# Altium PCB I2C_Jog_Controller.pcbdoc (part 2 of 9)
Units mil, origin at the board's own origin, x right, y up, seen from the top; angles counter-clockwise.
Board outline 3937.01 x 3937.01 mil, 2 copper layers (Top Layer, Bottom Layer), stack 65.398 mil thick; 211 components, 144 nets, 5702 pads, 342 vias.
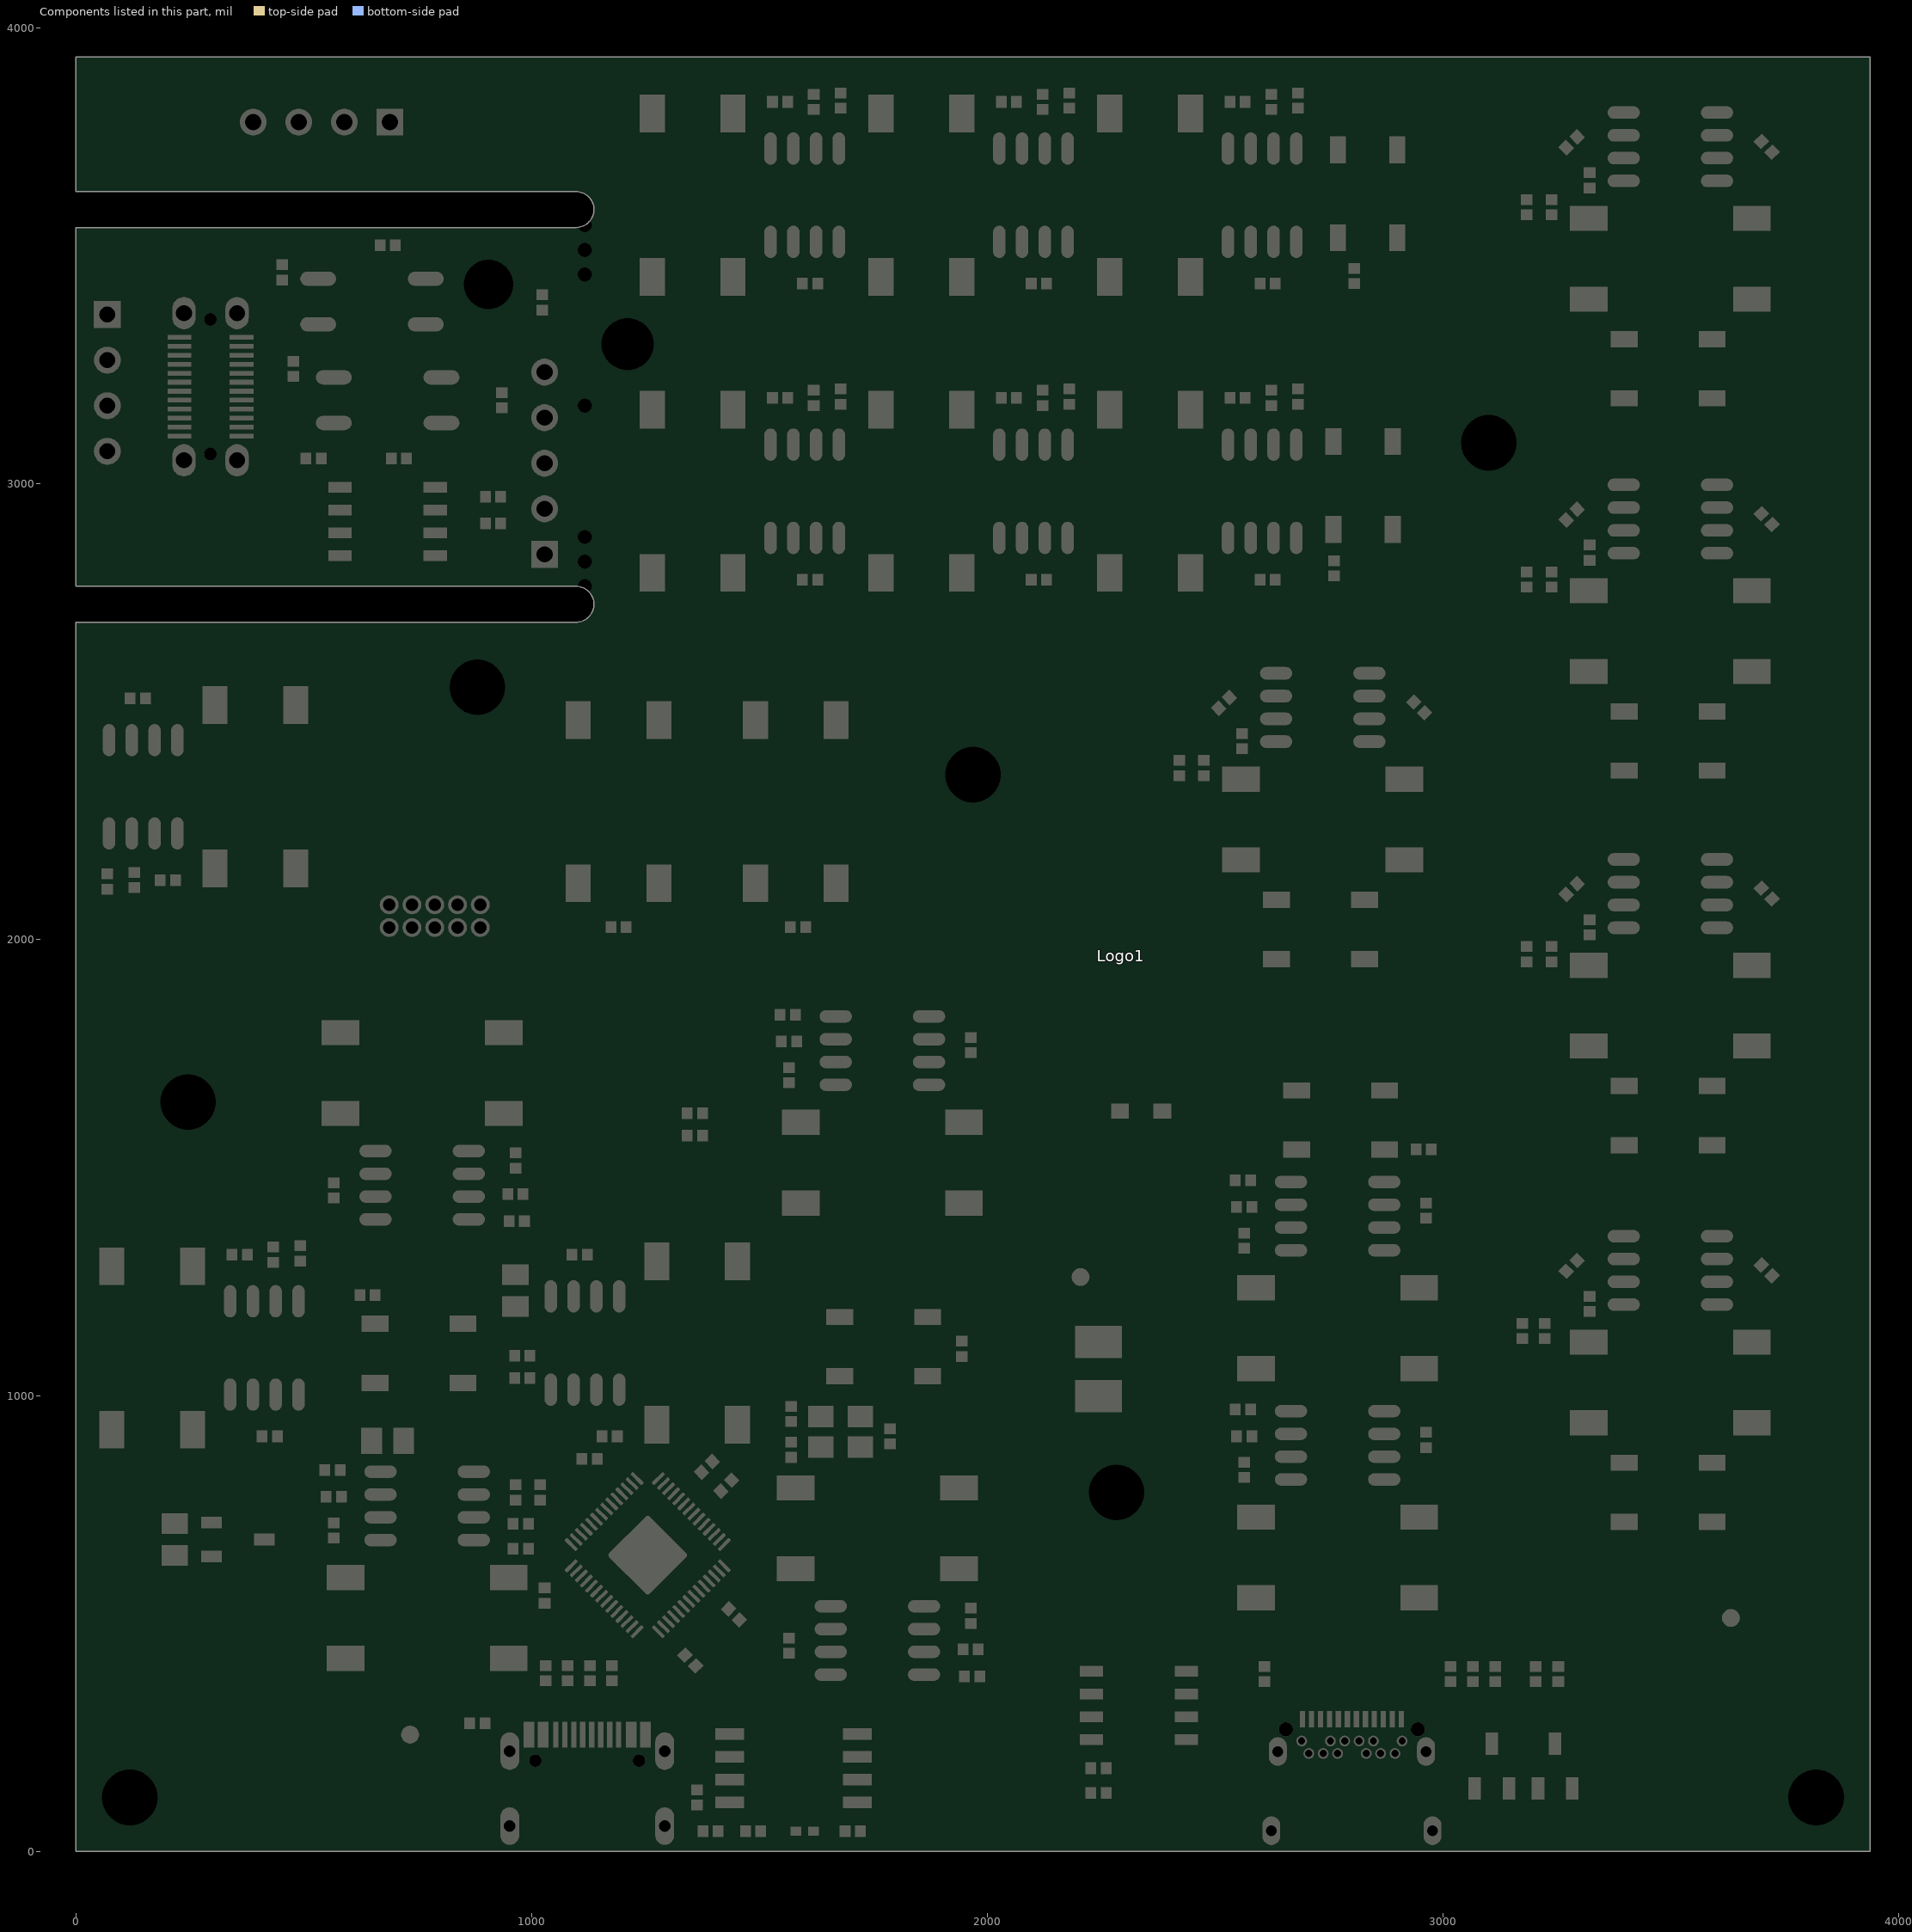
[diagram p2: the components of this part, seen from the top]

## Footprints (in the part's own frame and the unit in brackets; to place one, negate y for a bottom-side part, rotate by r counter-clockwise, add the part's x,y. Pads: shape width x height; smd on the part's side, far side on the other; paste and mask are expansions set on the pad) (continued)
Expatria-Logo [mil] "Expatria DXF logo" (continued)
  round 1.64 on Top Overlay: 1(-44606.14,-43379.1) 1_1(-44615.5,-43379.55) 1_2(-44606.14,-43379.1) 1_3(-44629.38,-43380.88) 1_4(-44615.5,-43379.55) 1_5(-44631.61,-43381.79) 1_6(-44629.38,-43380.88) 1_7(-44642.8,-43383.12) 1_8(-44631.61,-43381.79) 1_9(-44651.29,-43385.36) 1_10(-44642.8,-43383.12) 1_11(-44659.81,-43386.72) 1_12(-44651.29,-43385.36) 1_13(-44663.83,-43388.5) 1_14(-44659.81,-43386.72) 1_15(-44667.85,-43388.95) 1_16(-44663.83,-43388.5) 1_17(-44675.89,-43392.06) 1_18(-44667.85,-43388.95) 1_19(-44683.51,-43394.3) 1_20(-44675.89,-43392.06) 1_21(-44686.2,-43396.08) 1_22(-44683.51,-43394.3) 1_23(-44691.12,-43397.45) 1_24(-44686.2,-43396.08) 1_25(-44705.42,-43405.03) 1_26(-44691.12,-43397.45) 1_27(-44708.56,-43406.85) 1_28(-44705.42,-43405.03) 1_29(-44712.13,-43409.08) 1_30(-44708.56,-43406.85) 1_31(-44715.27,-43410.41) 1_32(-44712.13,-43409.08) 1_33(-44717.05,-43412.19) 1_34(-44715.27,-43410.41) 1_35(-44721.98,-43414.43) 1_36(-44717.05,-43412.19) 1_37(-44723.76,-43416.21) 1_38(-44721.98,-43414.43) 1_39(-44725.09,-43416.67) 1_40(-44723.76,-43416.21) 1_41(-44726.91,-43418.45) 1_42(-44725.09,-43416.67) 1_43(-44728.24,-43418.9) 1_44(-44726.91,-43418.45) 1_45(-44730.02,-43420.68) 1_46(-44728.24,-43418.9) 1_47(-44731.38,-43421.14) 1_48(-44730.02,-43420.68) 1_49(-44732.71,-43422.92) 1_50(-44731.38,-43421.14) 1_51(-44734.04,-43423.37) 1_52(-44732.71,-43422.92) 1_53(-44735.86,-43425.61) 1_54(-44734.04,-43423.37) 1_55(-44737.18,-43426.07) 1_56(-44735.86,-43425.61) 1_57(-44738.51,-43427.85) 1_58(-44737.18,-43426.07) 1_59(-44739.87,-43428.3) 1_60(-44738.51,-43427.85) 1_61(-44741.66,-43430.08) 1_62(-44739.87,-43428.3) 1_63(-44742.98,-43430.54) 1_64(-44741.66,-43430.08) 1_65(-44747.04,-43435.01) 1_66(-44742.98,-43430.54) 1_67(-44748.36,-43435.47) 1_68(-44747.04,-43435.01) 1_69(-44763.57,-43450.67) 1_70(-44748.36,-43435.47) 1_71(-44764.02,-43451.99) 1_72(-44763.57,-43450.67) 1_73(-44766.26,-43453.81) 1_74(-44764.02,-43451.99) 1_75(-44766.71,-43455.14) 1_76(-44766.26,-43453.81) 1_77(-44768.49,-43456.47) 1_78(-44766.71,-43455.14) 1_79(-44768.95,-43457.83) 1_80(-44768.49,-43456.47) 1_81(-44770.73,-43459.16) 1_82(-44768.95,-43457.83) 1_83(-44771.18,-43460.52) 1_84(-44770.73,-43459.16) 1_85(-44775.66,-43464.54) 1_86(-44771.18,-43460.52) 1_87(-44776.11,-43465.87) 1_88(-44775.66,-43464.54) 1_89(-44777.89,-43467.23) 1_90(-44776.11,-43465.87) 1_91(-44779.68,-43470.34) 1_92(-44777.89,-43467.23) 1_93(-44780.13,-43471.7) 1_94(-44779.68,-43470.34) 1_95(-44782.82,-43474.36) 1_96(-44780.13,-43471.7) 1_97(-44783.24,-43475.72) 1_98(-44782.82,-43474.36) 1_99(-44784.15,-43476.18) 1_100(-44783.24,-43475.72) 1_101(-44784.6,-43477.5) 1_102(-44784.15,-43476.18) 1_103(-44786.39,-43478.83) 1_104(-44784.6,-43477.5) 1_105(-44786.84,-43480.2) 1_106(-44786.39,-43478.83) 1_107(-44788.17,-43481.52) 1_108(-44786.84,-43480.2) 1_109(-44789.95,-43484.67) 1_110(-44788.17,-43481.52) 1_111(-44790.4,-43486) 1_112(-44789.95,-43484.67) 1_113(-44793.1,-43488.69) 1_114(-44790.4,-43486) 1_115(-44794,-43486) 1_116(-44793.1,-43488.69) 1_117(-44794.42,-43486) 1_118(-44794,-43486) 1_119(-44794.88,-43483.76) 1_120(-44794.42,-43486) 1_121(-44799.8,-43473.94) 1_122(-44794.88,-43483.76) 1_123(-44800.26,-43473.94) 1_124(-44799.8,-43473.94) 1_125(-44800.71,-43471.71) 1_126(-44800.26,-43473.94) 1_127(-44801.13,-43471.7) 1_128(-44800.71,-43471.71) 1_129(-44802.95,-43465.41) 1_130(-44801.13,-43471.7) 1_131(-44804.73,-43461.85) 1_132(-44802.95,-43465.41) 1_133(-44805.19,-43461.85) 1_134(-44804.73,-43461.85) 1_135(-44806.06,-43458.7) 1_136(-44805.19,-43461.85) 1_137(-44806.51,-43458.7) 1_138(-44806.06,-43458.7) 1_139(-44806.97,-43456.47) 1_140(-44806.51,-43458.7) 1_141(-44807.42,-43456.47) 1_142(-44806.97,-43456.47) 1_143(-44808.3,-43453.36) 1_144(-44807.42,-43456.47) 1_145(-44808.75,-43453.36) 1_146(-44808.3,-43453.36) 1_147(-44809.2,-43451.12) 1_148(-44808.75,-43453.36) 1_149(-44809.66,-43451.12) 1_150(-44809.2,-43451.12) 1_151(-44810.08,-43448.89) 1_152(-44809.66,-43451.12) 1_153(-44810.53,-43448.89) 1_154(-44810.08,-43448.89) 1_155(-44810.99,-43446.65) 1_156(-44810.53,-43448.89) 1_157(-44811.44,-43446.65) 1_158(-44810.99,-43446.65) 1_159(-44811.9,-43444.41) 1_160(-44811.44,-43446.65) 1_161(-44812.31,-43444.41) 1_162(-44811.9,-43444.41) 1_163(-44812.77,-43442.17) 1_164(-44812.31,-43444.41) 1_165(-44813.22,-43442.17) 1_166(-44812.77,-43442.17) 1_167(-44814.13,-43438.58) 1_168(-44813.22,-43442.17) 1_169(-44814.55,-43438.58) 1_170(-44814.13,-43438.58) 1_171(-44815.01,-43436.34) 1_172(-44814.55,-43438.58) 1_173(-44815.46,-43436.34) 1_174(-44815.01,-43436.34) 1_175(-44815.91,-43434.1) 1_176(-44815.46,-43436.34) 1_177(-44816.37,-43434.1) 1_178(-44815.91,-43434.1) 1_179(-44816.79,-43431.87) 1_180(-44816.37,-43434.1) 1_181(-44817.24,-43431.87) 1_182(-44816.79,-43431.87) 1_183(-44818.6,-43427.85) 1_184(-44817.24,-43431.87) 1_185(-44819.02,-43427.85) 1_186(-44818.6,-43427.85) 1_187(-44819.48,-43425.61) 1_188(-44819.02,-43427.85) 1_189(-44819.93,-43425.61) 1_190(-44819.48,-43425.61) 1_191(-44821.26,-43421.14) 1_192(-44819.93,-43425.61) 1_193(-44821.71,-43421.14) 1_194(-44821.26,-43421.14) 1_195(-44822.62,-43418.03) 1_196(-44821.71,-43421.14) 1_197(-44823.08,-43418.03) 1_198(-44822.62,-43418.03) 1_199(-44823.5,-43415.79) 1_200(-44823.08,-43418.03) 1_201(-44823.95,-43415.79) 1_202(-44823.5,-43415.79) 1_203(-44825.31,-43412.65) 1_204(-44823.95,-43415.79) 1_205(-44825.73,-43412.65) 1_206(-44825.31,-43412.65) 1_207(-44826.64,-43410.41) 1_208(-44825.73,-43412.65) 1_209(-44828.88,-43407.26) 1_210(-44826.64,-43410.41) 1_211(-44829.79,-43407.26) 1_212(-44828.88,-43407.26) 1_213(-44830.21,-43406.39) 1_214(-44829.79,-43407.26) 1_215(-44831.57,-43406.85) 1_216(-44830.21,-43406.39) 1_217(-44832.44,-43408.17) 1_218(-44831.57,-43406.85) 1_219(-44832.9,-43418.9) 1_220(-44832.44,-43408.17) 1_221(-44832.9,-43418.9) 1_222(-44831.57,-43431.87) 1_223(-44831.57,-43431.87) 1_224(-44830.66,-43433.68) 1_225(-44830.66,-43433.68) 1_226(-44830.21,-43437.7) 1_227(-44830.21,-43437.7) 1_228(-44828.88,-43441.72) 1_229(-44828.88,-43441.72) 1_230(-44826.64,-43454.23) 1_231(-44826.64,-43454.23) 1_232(-44824.41,-43460.52) 1_233(-44824.41,-43460.52) 1_234(-44822.17,-43470.8) 1_235(-44822.17,-43470.8) 1_236(-44816.37,-43486.91) 1_237(-44816.37,-43486.91) 1_238(-44815.91,-43490.02) 1_239(-44815.91,-43490.02) 1_240(-44814.55,-43492.71) 1_241(-44814.55,-43492.71) 1_242(-44814.13,-43495.85) 1_243(-44814.13,-43495.85) 1_244(-44811.44,-43502.56) 1_245(-44811.44,-43502.56) 1_246(-44810.99,-43504.8) 1_247(-44810.99,-43504.8) 1_248(-44809.2,-43508.36) 1_249(-44809.2,-43508.36) 1_250(-44808.75,-43510.6) 1_251(-44808.75,-43510.6) 1_252(-44807.42,-43512.83) 1_253(-44807.84,-43513.29) 1_254(-44807.42,-43512.83) 1_255(-44808.75,-43515.52) 1_256(-44807.84,-43513.29) 1_257(-44810.99,-43518.67) 1_258(-44808.75,-43515.52) 1_259(-44814.13,-43524.47) 1_260(-44810.99,-43518.67) 1_261(-44815.01,-43526.71) 1_262(-44814.13,-43524.47) 1_263(-44817.24,-43529.85) 1_264(-44815.01,-43526.71) 1_265(-44822.62,-43540.13) 1_266(-44817.24,-43529.85) 1_267(-44823.08,-43542.36) 1_268(-44822.62,-43540.13) 1_269(-44827.55,-43550.4) 1_270(-44823.08,-43542.36) 1_271(-44827.97,-43552.64) 1_272(-44827.55,-43550.4) 1_273(-44830.66,-43557.56) 1_274(-44827.97,-43552.64) 1_275(-44831.12,-43559.8) 1_276(-44830.66,-43557.56) 1_277(-44833.81,-43564.27) 1_278(-44831.12,-43559.8) 1_279(-44834.26,-43566.51) 1_280(-44833.81,-43564.27) 1_281(-44835.59,-43568.75) 1_282(-44834.26,-43566.51) 1_283(-44836.04,-43570.98) 1_284(-44835.59,-43568.75) 1_285(-44837.37,-43572.77) 1_286(-44836.04,-43570.98) 1_287(-44838.73,-43577.69) 1_288(-44837.37,-43572.77) 1_289(-44841.84,-43583.95) 1_290(-44838.73,-43577.69) 1_291(-44842.3,-43586.18) 1_292(-44841.84,-43583.95) 1_293(-44844.08,-43589.78) 1_294(-44842.3,-43586.18) 1_295(-44844.53,-43592.89) 1_296(-44844.08,-43589.78) 1_297(-44846.77,-43598.28) 1_298(-44844.53,-43592.89) 1_299(-44847.68,-43603.66) 1_300(-44846.77,-43598.28) 1_301(-44848.55,-43605.44) 1_302(-44847.68,-43603.66) 1_303(-44849.01,-43612.15) 1_304(-44848.55,-43605.44) 1_305(-44849.01,-43612.15) 1_306(-44848.1,-43612.6) 1_307(-44848.1,-43612.6) 1_308(-44845.44,-43611.69) 1_309(-44845.44,-43611.69) 1_310(-44841.84,-43608.13) 1_311(-44841.84,-43608.13) 1_312(-44841.39,-43606.77) 1_313(-44841.39,-43606.77) 1_314(-44840.52,-43606.31) 1_315(-44840.52,-43606.31) 1_316(-44840.06,-43604.98) 1_317(-44840.06,-43604.98) 1_318(-44838.73,-43603.66) 1_319(-44838.73,-43603.66) 1_320(-44838.28,-43602.29) 1_321(-44838.28,-43602.29) 1_322(-44836.92,-43600.97) 1_323(-44836.92,-43600.97) 1_324(-44835.13,-43596.95) 1_325(-44835.13,-43596.95) 1_326(-44834.26,-43596.49) 1_327(-44834.26,-43596.49) 1_328(-44833.81,-43595.13) 1_329(-44833.81,-43595.13) 1_330(-44832.9,-43594.71) 1_331(-44832.9,-43594.71) 1_332(-44832.44,-43593.35) 1_333(-44832.44,-43593.35) 1_334(-44831.12,-43592.02) 1_335(-44831.12,-43592.02) 1_336(-44830.66,-43590.66) 1_337(-44830.66,-43590.66) 1_338(-44829.33,-43589.33) 1_339(-44829.33,-43589.33) 1_340(-44827.55,-43585.31) 1_341(-44827.55,-43585.31) 1_342(-44826.19,-43583.95) 1_343(-44826.19,-43583.95) 1_344(-44825.73,-43582.62) 1_345(-44825.73,-43582.62) 1_346(-44824.41,-43581.29) 1_347(-44824.41,-43581.29) 1_348(-44823.95,-43579.93) 1_349(-44823.95,-43579.93) 1_350(-44822.62,-43578.6) 1_351(-44822.62,-43578.6) 1_352(-44822.17,-43577.24) 1_353(-44822.17,-43577.24) 1_354(-44820.84,-43575.91) 1_355(-44820.84,-43575.91) 1_356(-44820.39,-43574.58) 1_357(-44820.39,-43574.58) 1_358(-44817.7,-43570.98) 1_359(-44817.7,-43570.98) 1_360(-44817.24,-43569.65) 1_361(-44817.24,-43569.65) 1_362(-44815.01,-43566.51) 1_363(-44815.01,-43566.51) 1_364(-44814.13,-43564.27) 1_365(-44814.13,-43564.27) 1_366(-44813.22,-43563.82) 1_367(-44813.22,-43563.82) 1_368(-44812.77,-43562.49) 1_369(-44812.77,-43562.49) 1_370(-44811.44,-43561.16) 1_371(-44811.44,-43561.16) 1_372(-44810.99,-43559.8) 1_373(-44810.99,-43559.8) 1_374(-44809.2,-43558.02) 1_375(-44809.2,-43558.02) 1_376(-44808.75,-43556.69) 1_377(-44808.75,-43556.69) 1_378(-44807.42,-43555.33) 1_379(-44807.42,-43555.33) 1_380(-44806.97,-43554) 1_381(-44806.97,-43554) 1_382(-44805.6,-43552.64) 1_383(-44805.6,-43552.64) 1_384(-44804.73,-43550.4) 1_385(-44804.73,-43550.4) 1_386(-44803.82,-43549.98) 1_387(-44803.82,-43549.98) 1_388(-44803.37,-43548.62) 1_389(-44803.37,-43548.62) 1_390(-44801.59,-43546.84) 1_391(-44801.59,-43546.84) 1_392(-44801.13,-43545.51) 1_393(-44801.13,-43545.51) 1_394(-44800.26,-43545.05) 1_395(-44800.26,-43545.05) 1_396(-44799.8,-43543.69) 1_397(-44799.8,-43543.69) 1_398(-44798.9,-43543.27) 1_399(-44798.9,-43543.27) 1_400(-44798.48,-43541.91) 1_401(-44798.48,-43541.91) 1_402(-44797.57,-43541.45) 1_403(-44797.57,-43541.45) 1_404(-44797.11,-43540.13) 1_405(-44797.11,-43540.13) 1_406(-44795.79,-43539.22) 1_407(-44795.79,-43539.22) 1_408(-44791.77,-43546.84) 1_409(-44791.77,-43546.84) 1_410(-44785.48,-43558.93) 1_411(-44785.48,-43558.93) 1_412(-44785.06,-43560.26) 1_413(-44785.06,-43560.26) 1_414(-44782.82,-43563.4) 1_415(-44782.82,-43563.4) 1_416(-44782.37,-43564.73) 1_417(-44782.37,-43564.73) 1_418(-44781,-43566.06) 1_419(-44781,-43566.06) 1_420(-44780.58,-43567.42) 1_421(-44780.58,-43567.42) 1_422(-44779.22,-43568.75) 1_423(-44779.22,-43568.75) 1_424(-44778.77,-43570.11) 1_425(-44778.77,-43570.11) 1_426(-44777.89,-43570.53) 1_427(-44777.89,-43570.53) 1_428(-44777.44,-43571.89) 1_429(-44777.44,-43571.89) 1_430(-44775.2,-43575) 1_431(-44775.2,-43575) 1_432(-44774.75,-43576.37) 1_433(-44774.75,-43576.37) 1_434(-44773.42,-43577.69) 1_435(-44773.42,-43577.69) 1_436(-44772.97,-43579.06) 1_437(-44772.97,-43579.06) 1_438(-44771.64,-43580.38) 1_439(-44771.64,-43580.38) 1_440(-44771.18,-43581.71) 1_441(-44771.18,-43581.71) 1_442(-44770.28,-43582.17) 1_443(-44770.28,-43582.17) 1_444(-44769.82,-43583.53) 1_445(-44769.82,-43583.53) 1_446(-44768.95,-43583.95) 1_447(-44768.95,-43583.95) 1_448(-44768.49,-43585.31) 1_449(-44768.49,-43585.31) 1_450(-44767.59,-43585.77) 1_451(-44767.59,-43585.77) 1_452(-44767.17,-43587.09) 1_453(-44767.17,-43587.09) 1_454(-44765.8,-43588) 1_455(-44765.8,-43588) 1_456(-44765.35,-43589.33) 1_457(-44765.35,-43589.33) 1_458(-44763.57,-43590.66) 1_459(-44763.57,-43590.66) 1_460(-44763.11,-43592.02) 1_461(-44763.11,-43592.02) 1_462(-44761.33,-43593.35) 1_463(-44761.33,-43593.35) 1_464(-44760.88,-43594.71) 1_465(-44760.88,-43594.71) 1_466(-44759.09,-43596.04) 1_467(-44759.09,-43596.04) 1_468(-44758.64,-43597.37) 1_469(-44758.64,-43597.37) 1_470(-44756.86,-43598.73) 1_471(-44756.86,-43598.73) 1_472(-44756.4,-43600.06) 1_473(-44756.4,-43600.06) 1_474(-44739.87,-43616.62) 1_475(-44739.87,-43616.62) 1_476(-44738.51,-43617.08) 1_477(-44738.51,-43617.08) 1_478(-44737.18,-43618.86) 1_479(-44737.18,-43618.86) 1_480(-44735.86,-43619.31) 1_481(-44735.86,-43619.31) 1_482(-44734.04,-43621.55) 1_483(-44734.04,-43621.55) 1_484(-44732.71,-43621.97) 1_485(-44732.71,-43621.97) 1_486(-44731.38,-43623.79) 1_487(-44731.38,-43623.79) 1_488(-44730.02,-43624.21) 1_489(-44730.02,-43624.21) 1_490(-44729.15,-43625.57) 1_491(-44729.15,-43625.57) 1_492(-44727.78,-43626.02) 1_493(-44727.78,-43626.02) 1_494(-44727.33,-43626.89) 1_495(-44727.33,-43626.89) 1_496(-44726,-43627.35) 1_497(-44726,-43627.35) 1_498(-44725.55,-43628.26) 1_499(-44725.55,-43628.26) 1_500(-44724.22,-43628.68) 1_501(-44724.22,-43628.68) 1_502(-44722.85,-43630.04) 1_503(-44722.85,-43630.04) 1_504(-44721.53,-43630.5) 1_505(-44721.53,-43630.5) 1_506(-44720.2,-43631.82) 1_507(-44720.2,-43631.82) 1_508(-44717.96,-43632.73) 1_509(-44717.96,-43632.73) 1_510(-44716.6,-43634.06) 1_511(-44716.6,-43634.06) 1_512(-44715.27,-43634.51) 1_513(-44715.27,-43634.51) 1_514(-44713.91,-43635.84) 1_515(-44713.91,-43635.84) 1_516(-44712.58,-43636.3) 1_517(-44712.58,-43636.3) 1_518(-44709.43,-43638.53) 1_519(-44709.43,-43638.53) 1_520(-44708.11,-43638.99) 1_521(-44708.11,-43638.99) 1_522(-44704.96,-43641.22) 1_523(-44704.96,-43641.22) 1_524(-44696.47,-43645.7) 1_525(-44696.47,-43645.7) 1_526(-44694.23,-43646.15) 1_527(-44694.23,-43646.15) 1_528(-44693.36,-43647.02) 1_529(-44693.36,-43647.02) 1_530(-44691.12,-43647.48) 1_531(-44691.12,-43647.48) 1_532(-44689.31,-43648.81) 1_533(-44689.31,-43648.81) 1_534(-44687.07,-43649.26) 1_535(-44687.07,-43649.26) 1_536(-44683.96,-43651.04) 1_537(-44683.96,-43651.04) 1_538(-44676.34,-43653.73) 1_539(-44676.34,-43653.73) 1_540(-44668.76,-43656.42) 1_541(-44668.76,-43656.42) 1_542(-44656.21,-43659.57) 1_543(-44656.21,-43659.57) 1_544(-44652.2,-43659.99) 1_545(-44652.2,-43659.99) 1_546(-44643.7,-43662.22) 1_547(-44643.7,-43662.22) 1_548(-44621.34,-43665.37) 1_549(-44621.34,-43665.37) 1_550(-44597.19,-43666.7) 1_551(-44597.19,-43666.7) 1_552(-44556.03,-43666.28) 1_553(-44556.03,-43666.28) 1_554(-44523.81,-43663.59) 1_555(-44523.81,-43663.59) 1_556(-44498.33,-43660.44) 1_557(-44498.33,-43660.44) 1_558(-44492.5,-43659.12) 1_559(-44492.5,-43659.12) 1_560(-44486.69,-43658.66) 1_561(-44486.69,-43658.66) 1_562(-44475.51,-43656.42) 1_563(-44475.51,-43656.42) 1_564(-44469.71,-43655.97) 1_565(-44469.71,-43655.97) 1_566(-44464.33,-43654.64) 1_567(-44464.33,-43654.64) 1_568(-44459.4,-43654.19) 1_569(-44459.4,-43654.19) 1_570(-44457.17,-43653.28) 1_571(-44457.17,-43653.28) 1_572(-44441.06,-43650.62) 1_573(-44441.06,-43650.62) 1_574(-44437.04,-43649.26) 1_575(-44437.04,-43649.26) 1_576(-44433.02,-43648.81) 1_577(-44433.02,-43648.81) 1_578(-44429,-43647.48) 1_579(-44429,-43647.48) 1_580(-44424.98,-43647.02) 1_581(-44424.98,-43647.02) 1_582(-44420.93,-43645.7) 1_583(-44420.93,-43645.7) 1_584(-44416.91,-43645.24) 1_585(-44416.91,-43645.24) 1_586(-44412.89,-43643.91) 1_587(-44412.89,-43643.91) 1_588(-44408.87,-43643.46) 1_589(-44408.87,-43643.46) 1_590(-44402.62,-43641.68) 1_591(-44402.62,-43641.68) 1_592(-44396.33,-43640.77) 1_593(-44396.33,-43640.77) 1_594(-44383.82,-43637.2) 1_595(-44383.82,-43637.2) 1_596(-44343.1,-43626.89) 1_597(-44343.1,-43626.89) 1_598(-44340,-43626.44) 1_599(-44340,-43626.44) 1_600(-44336.85,-43625.11) 1_601(-44336.85,-43625.11) 1_602(-44333.71,-43624.66) 1_603(-44333.71,-43624.66) 1_604(-44330.6,-43623.33) 1_605(-44330.6,-43623.33) 1_606(-44327.45,-43622.88) 1_607(-44327.45,-43622.88) 1_608(-44324.34,-43621.55) 1_609(-44324.34,-43621.55) 1_610(-44321.19,-43621.1) 1_611(-44321.19,-43621.1) 1_612(-44318.05,-43619.73) 1_613(-44318.05,-43619.73) 1_614(-44314.94,-43619.31) 1_615(-44314.94,-43619.31) 1_616(-44311.79,-43617.95) 1_617(-44311.79,-43617.95) 1_618(-44308.68,-43617.49) 1_619(-44308.68,-43617.49) 1_620(-44303.76,-43615.71) 1_621(-44303.76,-43615.71) 1_622(-44298.83,-43614.84) 1_623(-44298.83,-43614.84) 1_624(-44295.68,-43613.48) 1_625(-44295.68,-43613.48) 1_626(-44292.58,-43613.02) 1_627(-44292.58,-43613.02) 1_628(-44289.43,-43611.69) 1_629(-44289.43,-43611.69) 1_630(-44286.32,-43611.24) 1_631(-44286.32,-43611.24) 1_632(-44283.18,-43609.91) 1_633(-44283.18,-43609.91) 1_634(-44280.03,-43609.46) 1_635(-44280.03,-43609.46) 1_636(-44276.92,-43608.13) 1_637(-44276.92,-43608.13) 1_638(-44273.77,-43607.68) 1_639(-44273.77,-43607.68) 1_640(-44270.66,-43606.31) 1_641(-44270.66,-43606.31) 1_642(-44267.52,-43605.89) 1_643(-44267.52,-43605.89) 1_644(-44264.83,-43604.53) 1_645(-44264.83,-43604.53) 1_646(-44261.72,-43604.08) 1_647(-44261.72,-43604.08) 1_648(-44257.66,-43602.29) 1_649(-44257.66,-43602.29) 1_650(-44254.55,-43601.84) 1_651(-44254.55,-43601.84) 1_652(-44242.01,-43597.37) 1_653(-44242.01,-43597.37) 1_654(-44238.9,-43596.95) 1_655(-44238.9,-43596.95) 1_656(-44235.75,-43595.58) 1_657(-44235.75,-43595.58) 1_658(-44232.64,-43595.13) 1_659(-44232.64,-43595.13) 1_660(-44219.23,-43590.24) 1_661(-44219.23,-43590.24) 1_662(-44217.86,-43590.66) 1_663(-44217.86,-43590.66) 1_664(-44216.53,-43591.11) 1_665(-44216.53,-43591.11) 1_666(-44214.75,-43592.89) 1_667(-44214.75,-43592.89) 1_668(-44213.39,-43593.35) 1_669(-44213.39,-43593.35) 1_670(-44212.06,-43594.71) 1_671(-44212.06,-43594.71) 1_672(-44210.7,-43595.13) 1_673(-44210.7,-43595.13) 1_674(-44209.37,-43596.49) 1_675(-44209.37,-43596.49) 1_676(-44208.04,-43596.95) 1_677(-44208.04,-43596.95) 1_678(-44206.68,-43598.28) 1_679(-44206.68,-43598.28) 1_680(-44205.35,-43598.73) 1_681(-44205.35,-43598.73) 1_682(-44203.99,-43600.06) 1_683(-44203.99,-43600.06) 1_684(-44202.66,-43600.51) 1_685(-44202.66,-43600.51) 1_686(-44200.88,-43602.29) 1_687(-44200.88,-43602.29) 1_688(-44199.51,-43602.75) 1_689(-44199.51,-43602.75) 1_690(-44198.19,-43604.08) 1_691(-44198.19,-43604.08) 1_692(-44196.86,-43604.53) 1_693(-44196.86,-43604.53) 1_694(-44195.04,-43606.31) 1_695(-44195.04,-43606.31) 1_696(-44193.72,-43606.77) 1_697(-44193.72,-43606.77) 1_698(-44192.39,-43608.13) 1_699(-44192.39,-43608.13) 1_700(-44191.02,-43608.55) 1_701(-44191.02,-43608.55) 1_702(-44190.57,-43609.46) 1_703(-44190.57,-43609.46) 1_704(-44189.24,-43609.91) 1_705(-44189.24,-43609.91) 1_706(-44187.91,-43611.24) 1_707(-44187.91,-43611.24) 1_708(-44186.55,-43611.69) 1_709(-44186.55,-43611.69) 1_710(-44184.77,-43613.48) 1_711(-44184.77,-43613.48) 1_712(-44181.21,-43615.71) 1_713(-44181.21,-43615.71) 1_714(-44179.84,-43616.17) 1_715(-44179.84,-43616.17) 1_716(-44179.38,-43617.08) 1_717(-44179.38,-43617.08) 1_718(-44178.06,-43617.49) 1_719(-44178.06,-43617.49) 1_720(-44177.61,-43618.4) 1_721(-44177.61,-43618.4) 1_722(-44176.28,-43618.86) 1_723(-44176.28,-43618.86) 1_724(-44175.82,-43619.73) 1_725(-44175.82,-43619.73) 1_726(-44174.5,-43620.19) 1_727(-44174.5,-43620.19) 1_728(-44174.04,-43621.1) 1_729(-44174.04,-43621.1) 1_730(-44172.68,-43621.55) 1_731(-44172.68,-43621.55) 1_732(-44172.26,-43622.42) 1_733(-44172.26,-43622.42) 1_734(-44170.9,-43622.88) 1_735(-44170.9,-43622.88) 1_736(-44170.44,-43623.79) 1_737(-44170.44,-43623.79) 1_738(-44169.11,-43624.21) 1_739(-44169.11,-43624.21) 1_740(-44167.33,-43626.02) 1_741(-44167.33,-43626.02) 1_742(-44165.97,-43626.44) 1_743(-44165.97,-43626.44) 1_744(-44164.18,-43628.26) 1_745(-44164.18,-43628.26) 1_746(-44162.86,-43628.68) 1_747(-44162.86,-43628.68) 1_748(-44162.41,-43629.59) 1_749(-44162.41,-43629.59) 1_750(-44161.08,-43630.04) 1_751(-44161.08,-43630.04) 